# Altium PCB SteezyHS.PcbDoc (part 1 of 2)
Units mm, origin at the board's own origin, x right, y up, seen from the top; angles counter-clockwise.
Board outline 285.25 x 94.86 mm, 2 copper layers (Component Side, Bottom Layer), stack 1.571 mm thick; 159 components, 103 nets, 945 pads, 137 vias.
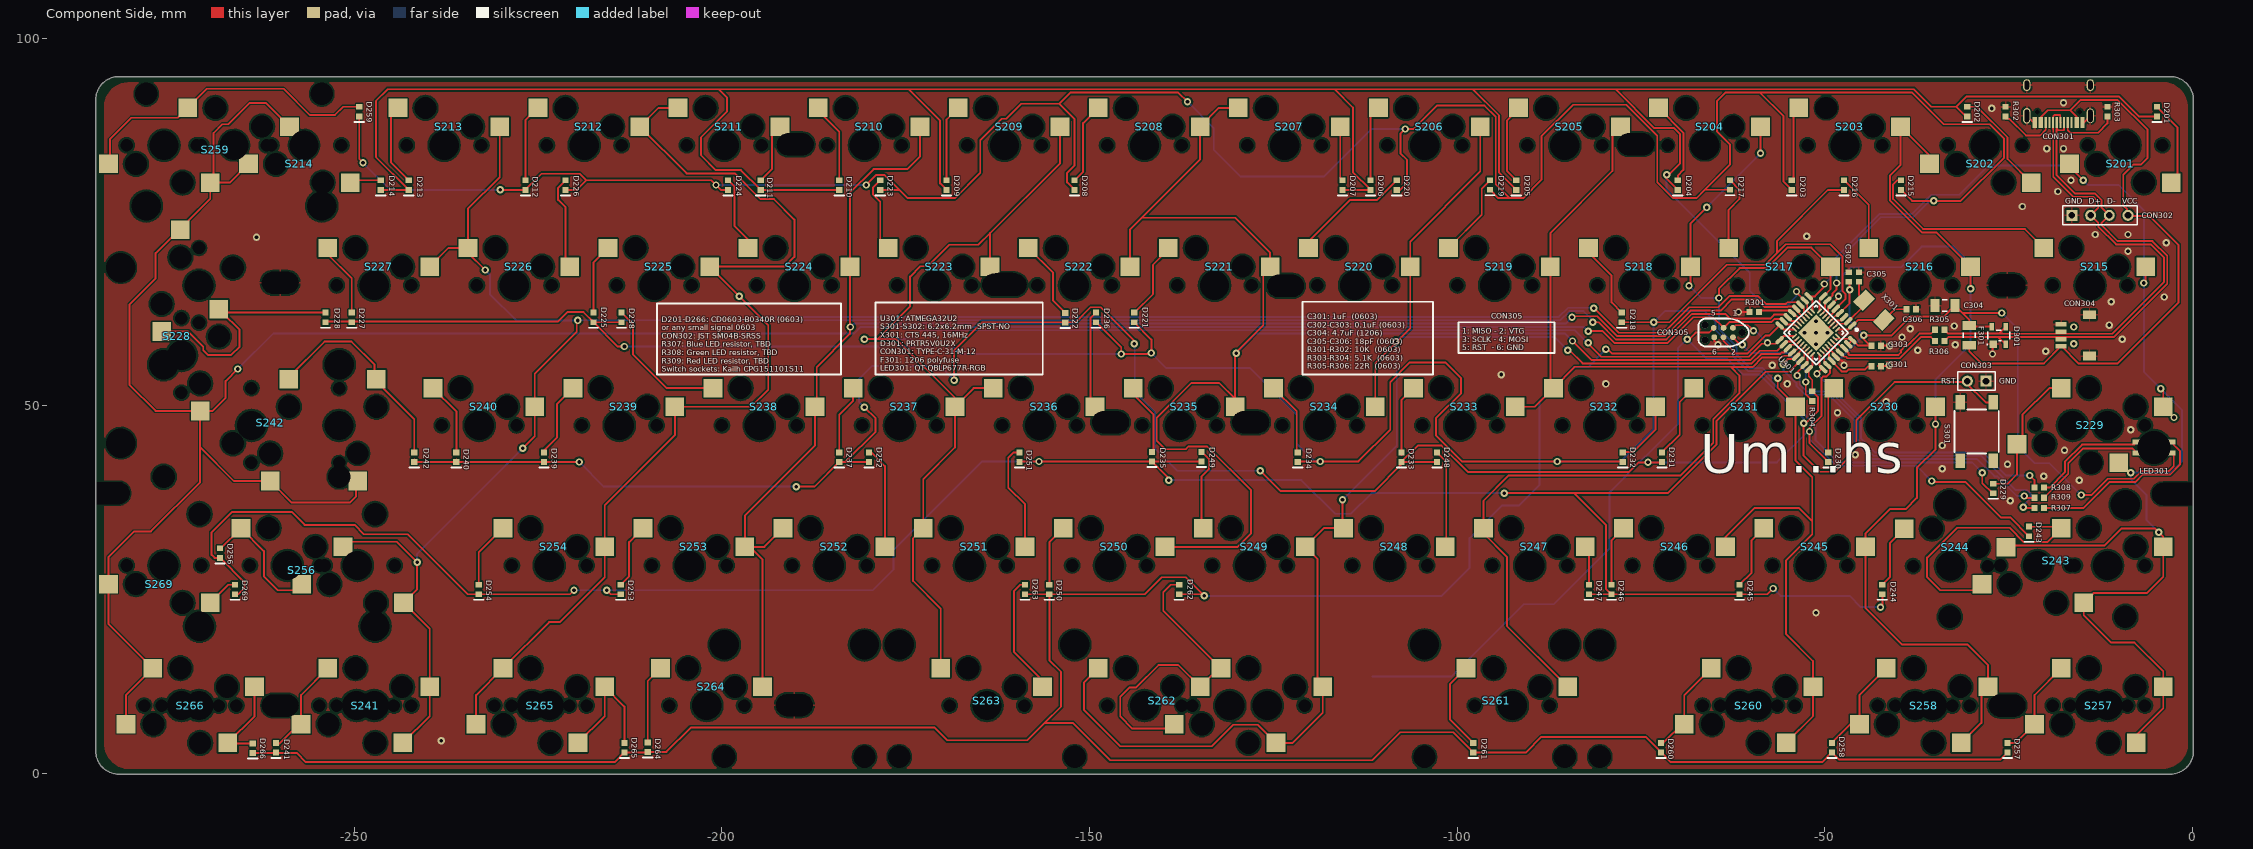
[diagram p0: Component Side view]
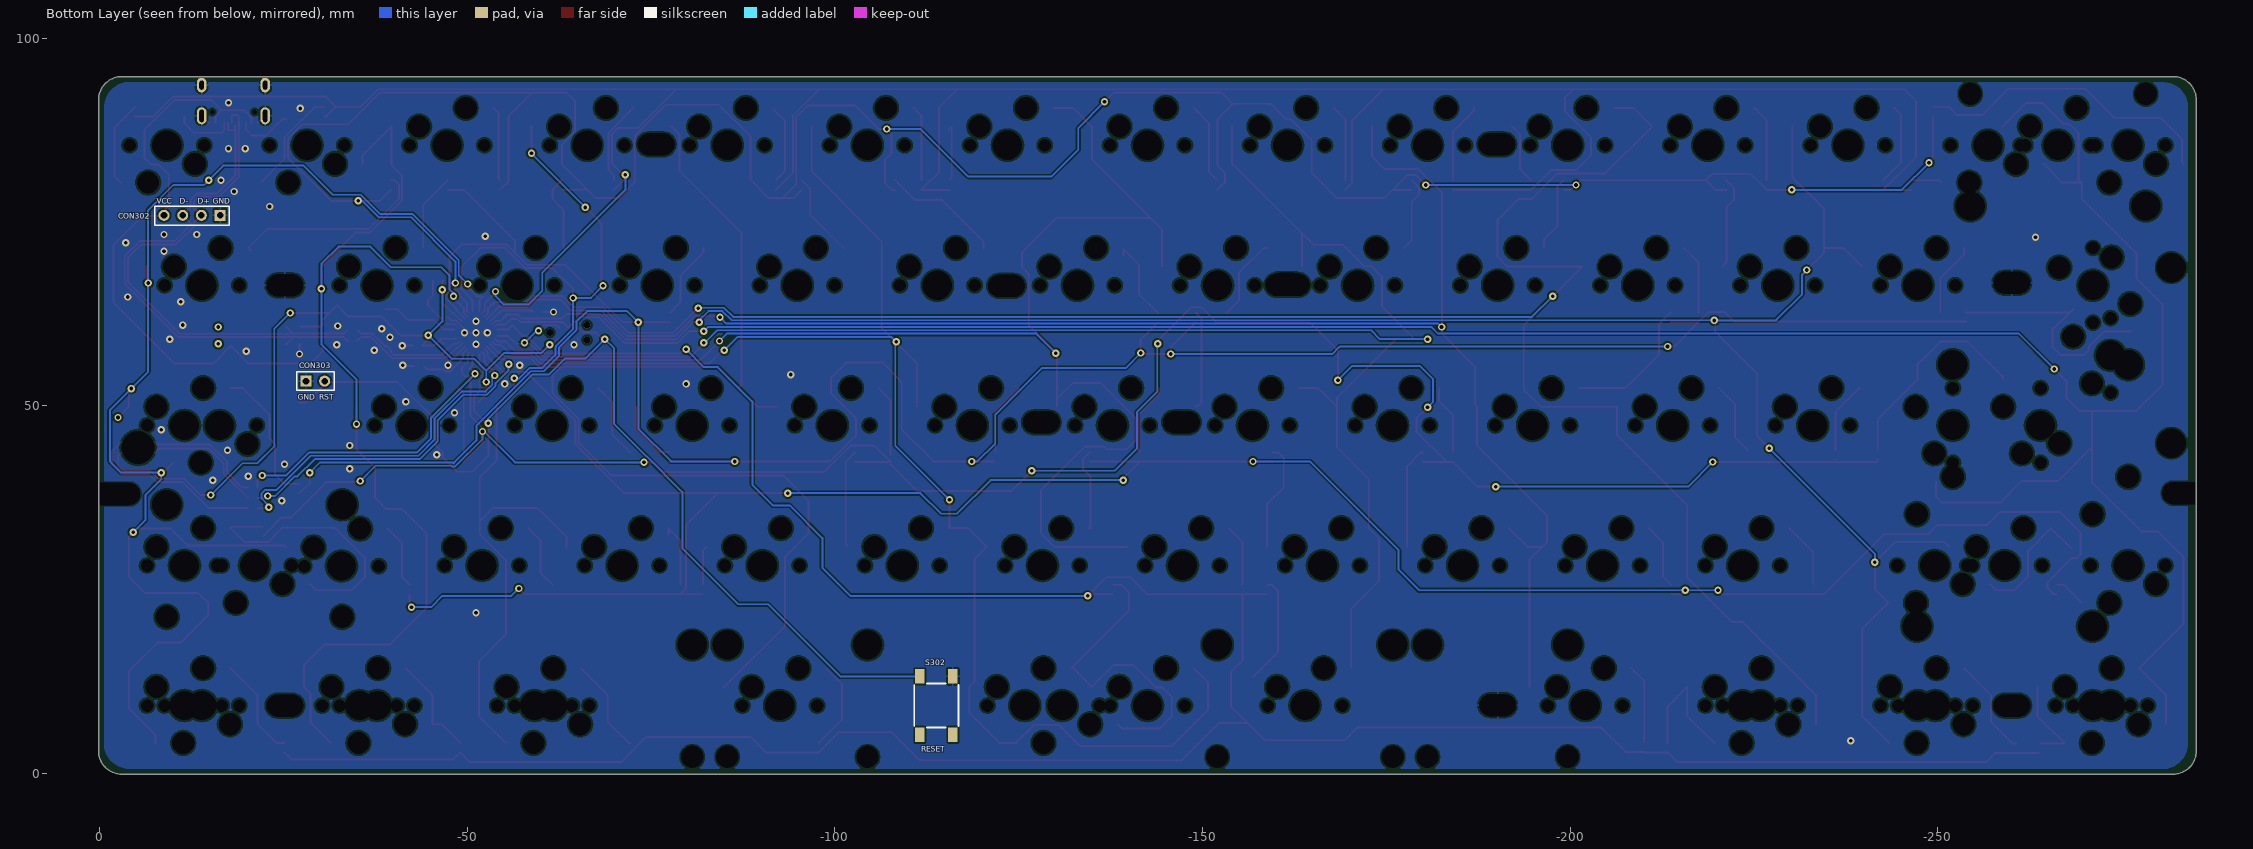
[diagram p1: Bottom Layer view, seen from below]

## Layer stack, top to bottom
Top Solder: solder mask 0.0102, Solder Resist, Dk 3.5
Component Side: signal copper 0.0356
Dielectric 1: core 1.5, FR-4, Dk 4.2
Bottom Layer: signal copper 0.0356
Solder Side: solder mask 0.0102, Solder Resist, Dk 3.5

## Board outline
-285.127,3.01 -285.127,91.615 cw(c-282,91.615) -282,94.742 cw(c-282,94.615) -281.999,94.742 -195.49,94.742 -198.628,94.742 ccw(c-198.628,94.615) -198.629,94.742 -198.628,94.742 -3,94.742 cw(c-3,91.615) 0.127,91.615 0.127,3.01 cw(c-3,3.01) -3,-0.117 cw(c-3,0.01) -3.035,-0.112 -281.965,-0.112 cw(c-282,0.01) -282,-0.117 cw(c-282,3.01)

## Design rules (kind name [scope] priority, off if disabled: settings)
Clearance [All] p1: gap=0.2 ignorepadtopadclearanceinfootprint=FALSE except(0: Arc-Hole Track-Hole SMDPad-Hole THPad-Hole Via-Hole Fill-Hole Poly-Hole Region-Hole Text-Hole; 0.254: THPad-THPad THPad-Via THPad-Fill THPad-Poly THPad-Region THPad-Text Via-Via Via-Fill Via-Poly Via-Region Via-Text Fill-Fill Fill-Poly Fill-Region Fill-Text Poly-Poly Poly-Region Poly-Text Region-Region Region-Text Text-Text)
ComponentClearance [InComponent('No Component') And OnLayer('Component Side')] p1: gap=0.254 collisioncheckmode=3 verticalgap=0.254 showdistances=FALSE
DiffPairsRouting DiffPairsRouting_USB [InDifferentialPairClass('All Differential Pairs')] p1: maxlimit=0.254 minlimit=0.203 mostfreqgap=0.203 toplayer_minwidth=0.152 toplayer_maxwidth=0.381 toplayer_prefwidth=0.152 bottomlayer_minwidth=0.152 bottomlayer_maxwidth=0.381 bottomlayer_prefwidth=0.152 maxuncoupledlength=12.7
DiffPairsRouting [All] p2: maxlimit=0.254 minlimit=0.254 mostfreqgap=0.254 toplayer_minwidth=0.381 toplayer_maxwidth=0.381 toplayer_prefwidth=0.381 bottomlayer_minwidth=0.381 bottomlayer_maxwidth=0.381 bottomlayer_prefwidth=0.381 maxuncoupledlength=12.7
HoleSize [All] p1: absolutevalues=TRUE maxlimit=20 minlimit=0.025 maxpercent=80.000 minpercent=20.000
MatchedLengths MatchedLengths_USB_DiffPairs_1 [All] p1: tolerance=0.127 checknetsindiffpair=TRUE checkdiffpairvsdiffpair=FALSE checkxsignals=FALSE checkothers=FALSE
MatchedLengths MatchedLengths_USB_DiffPairs [All] p2: tolerance=0.127 checknetsindiffpair=TRUE checkdiffpairvsdiffpair=FALSE checkxsignals=FALSE checkothers=FALSE
PolygonConnect PolygonConnect_1 [All vs IsVia] p1: connectstyle=Direct reliefconductorwidth=0.254 reliefentries=4 polygonreliefangle="90 Angle" airgapwidth=0.254
PolygonConnect [All] p2: connectstyle=Relief reliefconductorwidth=0.254 reliefentries=4 polygonreliefangle="90 Angle" airgapwidth=0.254
RoutingVias [All] p1: holewidth=0.711 width=1.27 viastyle="Through Hole" minholewidth=0.711 minwidth=1.27 maxholewidth=0.711 maxwidth=1.27
SolderMaskExpansion [All] p1: expansion=0.102
Width [All] p1: maxlimit=0.254 minlimit=0.203 preferedwidth=0.254
27 further rules are at their usual default settings.

## Classes and differential pairs
component class Designator: C201 C202 C203 C204 C205 C206 D201 D202 D203 D204 D205 D206 D207 D208 D209 D210 D211 D212 D213 D214 D215 D216 D217 D218 D219 D220 D221 D222 D223 D224 D225 D226 D227 D228 D229 D230 D231 D232 D233 D234 D235 D236 D237 D238 D239 D240 D241 D242 D243 D244 D245 D246 D247 D248 D249 D250 D251 D252 D253 D254 D256 D257 D258 D259 D260 D261 D262 D263 D264 D265 D266 D268 D269 S201 S202 S203 S204 S205 S206 S207 S208 S209 S210 S211 S212 S213 S214 S215 S216 S217 S218 S219 S220 S221 S222 S223 S224 S225 S226 S227 S228 S229 S230 S231 S232 S233 S234 S235 S236 S237 S238 S239 S240 S241 S242 S243 S244 S245 S246 S247 S248 S249 S250 S251 S252 S253 S254 S256 S257 S258 S259 S260 S261 S262 S263 S264 S265 S266 S269
differential pair D_PRE: +D_PRE_P -D_PRE_N
differential pair D: +D_P -D_N

## Components (designator, comment, footprint, x,y, rotation, side; value= is the part's Value field where it differs from the comment)
C301 "" C0603[1608] -43,55.372 r180 top value=1uF
C302 "" C0603[1608] -46.736,67.5 r270 top value=0.1uF
C303 "" C0603[1608] -43,58.166 r180 top value=0.1uF
C304 "" C1206[3216] -33.655,63.627 r0 top value=4,7uF
C305 "" C0603[1608] -45.339,67.5 r270 top value=36pF
C306 "" C0603[1608] -38.227,63.119 r180 top value=36pF
CON301 "TYPE-C-31-M-12" TYPE-C-31-M-12 -18.2,88.5 r180 top
CON302 "Header 4" HDR1X4 -16.383,75.89 r0 top
CON303 "Header 2" HDR1X2 -28.067,53.34 r180 top
CON304 "Header 5" "JST SM04B-SRSS-TB" -14,56.757 r90 top
CON305 "TC2030-IDC" TC2030-IDC-NL -63.754,59.944 r180 top
D201 "Diode" D0603[1608] -4.826,90 r270 top
D202 "Diode" D0603[1608] -30.607,90 r270 top
D203 "Diode" D0603[1608] -54.483,80 r270 top
D204 "Diode" D0603[1608] -69.977,80 r270 top
D205 "Diode" D0603[1608] -91.948,80 r270 top
D206 "Diode" D0603[1608] -111.76,80 r270 top
D207 "Diode" D0603[1608] -115.57,80 r270 top
D208 "Diode" D0603[1608] -152.019,80 r270 top
D209 "Diode" D0603[1608] -169.418,80 r270 top
D210 "Diode" D0603[1608] -184.023,80 r270 top
D211 "Diode" D0603[1608] -194.691,80 r270 top
D212 "Diode" D0603[1608] -226.695,80 r270 top
D213 "Diode" D0603[1608] -242.57,80 r270 top
D214 "Diode" D0603[1608] -246.38,80 r270 top
D215 "Diode" D0603[1608] -39.624,80 r270 top
D216 "Diode" D0603[1608] -47.371,80 r270 top
D217 "Diode" D0603[1608] -62.865,80.01 r270 top
D218 "Diode" D0603[1608] -77.597,62 r270 top
D219 "Diode" D0603[1608] -95.504,80.01 r270 top
D220 "Diode" D0603[1608] -108.204,80 r270 top
D221 "Diode" D0603[1608] -143.891,62 r270 top
D222 "Diode" D0603[1608] -153.289,61.976 r270 top
D223 "Diode" D0603[1608] -178.435,80 r270 top
D224 "Diode" D0603[1608] -199.136,80 r270 top
D225 "Diode" D0603[1608] -217.424,62 r270 top
D226 "Diode" D0603[1608] -221.234,80 r270 top
D227 "Diode" D0603[1608] -250.317,62 r270 top
D228 "Diode" D0603[1608] -253.873,62 r270 top
D229 "Diode" D0603[1608] -27.087,38.735 r270 top
D230 "Diode" D0603[1608] -49.53,43 r270 top
D231 "Diode" D0603[1608] -72.136,43 r270 top
D232 "Diode" D0603[1608] -77.47,43 r270 top
D233 "Diode" D0603[1608] -107.569,43 r270 top
D234 "Diode" D0603[1608] -121.666,43 r270 top
D235 "Diode" D0603[1608] -141.478,43.053 r270 top
D236 "Diode" D0603[1608] -149.098,62 r270 top
D237 "Diode" D0603[1608] -184.023,43 r270 top
D238 "Diode" D0603[1608] -213.614,62 r270 top
D239 "Diode" D0603[1608] -224.155,43 r270 top
D240 "Diode" D0603[1608] -236.093,43 r270 top
D241 "Diode" D0603[1608] -260.604,3.5 r270 top
D242 "Diode" D0603[1608] -241.808,43 r270 top
D243 "Diode" D0603[1608] -22.225,32.893 r270 top
D244 "Diode" D0603[1608] -42.164,25 r270 top
D245 "Diode" D0603[1608] -61.595,25 r270 top
D246 "Diode" D0603[1608] -78.994,25 r270 top
D247 "Diode" D0603[1608] -82.042,25 r270 top
D248 "Diode" D0603[1608] -102.743,43 r270 top
D249 "Diode" D0603[1608] -134.747,43.053 r270 top
D250 "Diode" D0603[1608] -155.448,25 r270 top
D251 "Diode" D0603[1608] -159.512,43 r270 top
D252 "Diode" D0603[1608] -179.959,43 r270 top
D253 "Diode" D0603[1608] -213.741,25 r270 top
D254 "Diode" D0603[1608] -233.045,25 r270 top
D256 "Diode" D0603[1608] -268.224,29.957 r270 top
D257 "Diode" D0603[1608] -25.146,3.5 r270 top
D258 "Diode" D0603[1608] -49.022,3.5 r270 top
D259 "Diode" D0603[1608] -249.301,90 r270 top
D260 "Diode" D0603[1608] -72.263,3.5 r270 top
D261 "Diode" D0603[1608] -97.79,3.5 r270 top
D262 "Diode" D0603[1608] -137.795,25 r270 top
D263 "Diode" D0603[1608] -158.75,25 r270 top
D264 "Diode" D0603[1608] -210.058,3.556 r270 top
D265 "Diode" D0603[1608] -213.233,3.5 r270 top
D266 "Diode" D0603[1608] -263.779,3.414 r270 top
D269 "Diode" D0603[1608] -266.192,25 r270 top
D301 "PRTR5V0U2X" SOT190P237X120-4N -26.35,59.543 r90 top
F301 "Fuse Thermal" C1206[3216] -30.353,59.563 r270 top
LED301 "QT QBLP677R-RGB" "QT QBLP677R-RGB" -5.221,44.311 r180 top
R301 "Res1" R0603[1608] -59.563,62.738 r180 top value=10K
R302 "Res1" R0603[1608] -25.4,90 r90 top value=5k1
R303 "Res1" R0603[1608] -11.557,90 r90 top value=5k1
R304 "Res1" R0603[1608] -51.689,51.308 r90 top value=10K
R305 "Res1" R0603[1608] -34.365,60.325 r0 top value=22
R306 "Res1" R0603[1608] -34.365,58.801 r0 top value=22
R307 "Res1" R0603[1608] -20.828,36.068 r180 top
R308 "Res1" R0603[1608] -20.828,38.862 r180 top
R309 "Res1" R0603[1608] -20.828,37.465 r0 top
S201 "MX" MXHS-SWITCH -9.15,85.415 r0 bottom
S202 "MX" MXHS-SWITCH -28.2,85.415 r0 bottom locked
S203 "MX" MXHS-SWITCH -47.25,85.415 r180 bottom locked
S204 "MX" MXHS-SWITCH -66.3,85.415 r180 bottom locked
S205 "MX" MXHS-SWITCH -85.35,85.415 r180 bottom locked
S206 "MX" MXHS-SWITCH -104.4,85.415 r180 bottom locked
S207 "MX" MXHS-switch_Switched_Pol -123.45,85.415 r180 bottom locked
S208 "MX" MXHS-SWITCH -142.5,85.415 r180 bottom locked
S209 "MX" MXHS-SWITCH -161.55,85.415 r180 bottom locked
S210 "MX" MXHS-SWITCH -180.6,85.415 r180 bottom locked
S211 "MX" MXHS-switch_Switched_Pol -199.65,85.415 r180 bottom locked
S212 "MX" MXHS-SWITCH -218.7,85.415 r180 bottom locked
S213 "MX" MXHS-SWITCH -237.75,85.415 r180 bottom locked
S214 "MX" MXHS-SWITCH -256.8,85.415 r0 bottom locked
S215 "MX" "MXHS-SWITCH - 1.5U" -13.912,66.365 r180 bottom locked
S216 "MX" MXHS-SWITCH -37.725,66.365 r180 bottom locked
S217 "MX" MXHS-SWITCH -56.775,66.365 r180 bottom locked
S218 "MX" MXHS-SWITCH -75.825,66.365 r180 bottom locked
S219 "MX" MXHS-SWITCH -94.875,66.365 r180 bottom locked
S220 "MX" MXHS-SWITCH -113.925,66.365 r180 bottom locked
S221 "MX" MXHS-SWITCH -132.975,66.365 r180 bottom locked
S222 "MX" MXHS-SWITCH -152.025,66.365 r180 bottom locked
S223 "MX" MXHS-SWITCH -171.075,66.365 r180 bottom locked
S224 "MX" MXHS-SWITCH -190.125,66.365 r180 bottom locked
S225 "MX" MXHS-SWITCH -209.175,66.365 r180 bottom locked
S226 "MX" MXHS-switch_Switched_Pol -228.225,66.365 r180 bottom locked
S227 "MX" MXHS-SWITCH -247.275,66.365 r180 bottom locked
S228 "MX" "MXHS-SWITCH - PIPE_ISO_ENTER" -271.087,66.365 r0 bottom locked
S229 "MX" "MXHS-SWITCH - CAPS_STEPPED_DUAL" -16.294,47.315 r180 bottom locked
S230 "MX" MXHS-SWITCH -42.487,47.315 r180 bottom locked
S231 "MX" MXHS-SWITCH -61.537,47.315 r180 bottom locked
S232 "MX" MXHS-switch_Switched_Pol -80.587,47.315 r180 bottom locked
S233 "MX" MXHS-SWITCH -99.637,47.315 r180 bottom locked
S234 "MX" MXHS-SWITCH -118.687,47.315 r180 bottom locked
S235 "MX" MXHS-SWITCH -137.737,47.315 r180 bottom locked
S236 "MX" MXHS-switch_Switched_Pol -156.787,47.315 r180 bottom locked
S237 "MX" MXHS-SWITCH -175.837,47.315 r180 bottom locked
S238 "MX" MXHS-SWITCH -194.887,47.315 r180 bottom locked
S239 "MX" MXHS-SWITCH -213.937,47.315 r180 bottom locked
S240 "MX" MXHS-SWITCH -232.987,47.315 r180 bottom locked
S241 "MX" "MXHS-SWITCH - R_WIN" -247.274,9.215 r180 bottom locked
S242 "MX" "MXHS-SWITCH - ENTER_ANSI_ISO_KEY_V2" -263.95,47.315 r180 bottom locked
S243 "MX" "MXHS-SWITCH - LEFT SHIFT" -21.056,28.265 r180 bottom locked
S244 "MX" MXHS-switch -32.893,28.194 r180 bottom locked
S245 "MX" MXHS-SWITCH -52.012,28.265 r180 bottom locked
S246 "MX" MXHS-SWITCH -71.062,28.265 r180 bottom locked
S247 "MX" MXHS-switch_Switched_Pol -90.112,28.265 r180 bottom locked
S248 "MX" MXHS-switch_Switched_Pol -109.162,28.265 r180 bottom locked
S249 "MX" MXHS-SWITCH -128.212,28.265 r180 bottom locked
S250 "MX" MXHS-SWITCH -147.262,28.265 r180 bottom locked
S251 "MX" MXHS-switch_Switched_Pol -166.312,28.265 r180 bottom locked
S252 "MX" MXHS-switch_Switched_Pol -185.362,28.265 r180 bottom locked
S253 "MX" MXHS-SWITCH -204.412,28.265 r180 bottom locked
S254 "MX" MXHS-SWITCH -223.462,28.265 r180 bottom locked
S256 "MX" "MXHS-switch - right shift" -259.08,28.265 r180 bottom locked
S257 "MX" "MXHS-SWITCH - L_CTRL" -13.912,9.215 r180 bottom locked
S258 "MX" "MXHS-SWITCH - L_WIN" -37.724,9.215 r180 bottom locked
S259 "MX" "MXHS-SWITCH - BACKSPACE" -266.325,85.415 r180 bottom locked
S260 "MX" "MXHS-SWITCH - L_ALT" -61.537,9.215 r180 bottom locked
S261 "MX" "MXHS-SWITCH - L SPLIT SPACE" -102.018,9.215 r0 bottom locked
S262 "MX" "MXHS-SWITCH - SPACE_V2" -142.499,9.215 r180 bottom locked
S263 "MX" "MXHS-SWITCH - R SPLIT SPACE" -163.931,9.215 r0 bottom locked
S264 "MX" MXHS-switch -202.031,9.215 r180 bottom locked
S265 "MX" "MXHS-SWITCH - R_ALT_V2" -223.462,9.215 r180 bottom locked
S266 "MX" "MXHS-SWITCH - R_CTRL" -271.087,9.215 r180 bottom locked
S269 "MX" MXHS-SWITCH -275.85,28.265 r0 bottom locked
S301 "SW-PB" 430152050826 -29.337,46.482 r270 top
S302 "SW-PB" 430152050826 -113.792,9.215 r270 bottom
U301 "ATMEGA32U2" ATMEGA32U2-COMBO -51.184,59.918 r225 top
X301 "XTAL" "CTS 445-series crystal" -43.307,62.992 r135 top

## Footprints (in the part's own frame and the unit in brackets; to place one, negate y for a bottom-side part, rotate by r counter-clockwise, add the part's x,y. Pads: shape width x height; smd on the part's side, far side on the other; paste and mask are expansions set on the pad)
430152050826 [mm] "Wurth Electronics Inc."
  rect 2x1.3 smd: 1(-3.975,2.25) 2(-3.975,-2.25) ""(3.975,2.25) ""(3.975,-2.25)
  silkscreen extent -3,-3 3,3, body extent -4.5,-3.1 4.5,3.1, height 5
ATMEGA32U2-COMBO [mm]
  oval 1.4x0.55 smd: 1(-4.2,2.8) 2(-4.2,2) 3(-4.2,1.2) 4(-4.2,0.4) 5(-4.2,-0.4) 6(-4.2,-1.2) 7(-4.2,-2) 8(-4.2,-2.8) 17(4.2,-2.8) 18(4.2,-2) 19(4.2,-1.2) 20(4.2,-0.4) 21(4.2,0.4) 22(4.2,1.2) 23(4.2,2) 24(4.2,2.8)
  oval 0.85x0.25 smd: 1(-2.4,1.75) 2(-2.4,1.25) 3(-2.4,0.75) 4(-2.4,0.25) 5(-2.4,-0.25) 6(-2.4,-0.75) 7(-2.4,-1.25) 8(-2.4,-1.75) 17(2.4,-1.75) 18(2.4,-1.25) 19(2.4,-0.75) 20(2.4,-0.25) 21(2.4,0.25) 22(2.4,0.75) 23(2.4,1.25) 24(2.4,1.75)
  oval 0.55x1.4 smd: 9(-2.8,-4.2) 10(-2,-4.2) 11(-1.2,-4.2) 12(-0.4,-4.2) 13(0.4,-4.2) 14(1.2,-4.2) 15(2,-4.2) 16(2.8,-4.2) 25(2.8,4.2) 26(2,4.2) 27(1.2,4.2) 28(0.4,4.2) 29(-0.4,4.2) 30(-1.2,4.2) 31(-2,4.2) 32(-2.8,4.2)
  oval 0.25x0.85 smd: 9(-1.75,-2.4) 10(-1.25,-2.4) 11(-0.75,-2.4) 12(-0.25,-2.4) 13(0.25,-2.4) 14(0.75,-2.4) 15(1.25,-2.4) 16(1.75,-2.4) 25(1.75,2.4) 26(1.25,2.4) 27(0.75,2.4) 28(0.25,2.4) 29(-0.25,2.4) 30(-0.75,2.4) 31(-1.25,2.4) 32(-1.75,2.4)
  rect 3.5x3.5 smd: 28(0,0)
  silkscreen extent -4.32,-3.1 3.1,3.75, body extent -2.51,-2.51 2.51,2.51, height 1
C0603[1608] [mm] "Chip Resistor, 2-Leads, Body 1,57x0,80mm, IPC Medium Density"
  rect 0.8x0.85 smd: 1(-0.65,0) 2(0.65,0)
  body extent -0.83,-0.43 0.82,0.43, height 0.5
C1206[3216] [mm]
  rect 1.2x1.8 smd: 1(-1.35,0) 2(1.35,0)
  silkscreen extent -0.35,-0.8 0.35,0.8, body extent -1.6,-0.9 1.6,0.9, height 1.2
"CTS 445-series crystal" [mm]
  rect 1.8x2.4 smd: 1(-1.9,0) 2(1.9,0)
  body extent -2.5,-1.6 2.5,1.6, height 1.3
D0603[1608] [mm] "Chip Resistor, 2-Leads, Body 1,57x0,80mm, IPC Medium Density"
  rect 0.8x0.85 smd: 1(-0.65,0) 2(0.65,0)
  silkscreen extent 1.4,-0.63 1.4,0.64, body extent -0.8,-0.45 0.8,0.45, height 0.59
HDR1X2 [mm] "Connector; Header; 2 Position"
  rect 1.5x1.5 hole 0.9: 1(0,0)
  round 1.5 hole 0.9: 2(2.54,0)
  silkscreen extent -1.27,-1.27 3.81,1.27
HDR1X4 [mm] "Connector; Header; 4 Position"
  rect 1.5x1.5 hole 0.9: 1(0,0)
  round 1.5 hole 0.9: 2(2.54,0) 3(5.08,0) 4(7.62,0)
  silkscreen extent -1.27,-1.27 8.89,1.27
"JST SM04B-SRSS-TB" [mm]
  rect 0.6x1.55 smd: 1(1.3,3.875) 2(2.3,3.875) 3(3.3,3.875) 4(4.3,3.875)
  rect 1.2x1.8 smd: 5(0,0) 5(5.6,0)
  body extent -0.21,-0.76 5.79,4.19, height 3.25
MXHS-SWITCH [mm]
  rect 2.55x2.5 smd far side: 1(6.29,5.08) 2(-7.56,2.54)
  round 1 hole 1.702 unplated: ""(-5.08,0) ""(5.08,0)
  round 0 hole 3 unplated: ""(-3.81,2.54) ""(2.54,5.08)
  round 1 hole 3.988 unplated: ""(0,0)
  body extent -7.76,0.97 6.74,6.86, height 0.8
MXHS-switch [mm]
  rect 2.55x2.5 smd far side: 1(6.29,5.08) 2(-7.56,2.54)
  round 1 hole 1.702 unplated: ""(-5.08,0) ""(5.08,0)
  round 0 hole 3 unplated: ""(-3.81,2.54) ""(2.54,5.08)
  round 1 hole 3.988 unplated: ""(0,0)
  body extent -7.76,0.97 6.74,6.86, height 0.8
"MXHS-SWITCH - 1.5U" [mm]
  rect 2.55x2.5 smd far side: 1(6.29,5.08) 2(-7.56,2.54)
  round 1 hole 1.702 unplated: ""(-5.08,0) ""(5.08,0)
  round 0 hole 3 unplated: ""(-3.81,2.54) ""(2.54,5.08)
  round 1 hole 3.988 unplated: ""(0,0)
  round 1 on Mech14: ""(0,0)
  body extent -7.76,0.97 6.74,6.86, height 0.8
"MXHS-SWITCH - BACKSPACE" [mm]
  rect 2.55x2.5 smd far side: 1(6.29,5.08) 1(17.085,-2.54) 2(-7.56,2.54) 2(3.235,-5.08)
  round 1.524 hole 3.988 unplated: ""(-11.938,-8.255) ""(11.938,-8.255)
  round 1.524 hole 3.048 unplated: ""(-11.938,6.985) ""(11.938,6.985)
  round 1 hole 1.702 unplated: ""(-5.08,0) ""(-5.08,0) ""(4.445,0) ""(4.445,0) ""(5.08,0) ""(5.08,0) ""(14.605,0) ""(14.605,0)
  round 0 hole 3 unplated: ""(-3.81,2.54) ""(2.54,5.08) ""(6.985,-5.08) ""(13.335,-2.54)
  round 1 hole 3.988 unplated: ""(0,0) ""(9.525,0)
  round 1 on Mech14: ""(0,0) ""(0,0) ""(9.525,0) ""(9.525,0)
  body extent -7.76,-6.86 17.28,6.86, height 0.8
"MXHS-SWITCH - CAPS_STEPPED_DUAL" [mm]
  rect 2.55x2.5 smd far side: 1(1.528,5.08) 1(7.56,-2.54) 2(-12.323,2.54) 2(-6.29,-5.08)
  round 1 hole 1.702 unplated: ""(-9.842,0) ""(5.08,0)
  round 0 hole 3 unplated: ""(-8.572,2.54) ""(-2.54,-5.08) ""(-2.222,5.08) ""(3.81,-2.54)
  round 1 hole 3.988 unplated: ""(-4.763,0) ""(0,0)
  round 1 on Mech14: ""(-4.763,0) ""(0,0)
  body extent -12.52,-6.86 7.76,6.86, height 0.8
"MXHS-SWITCH - ENTER_ANSI_ISO_KEY_V2" [mm]
  rect 2.5x2.55 smd far side: 1(-16.986,6.29) 1(-5.08,6.29) 2(-14.446,-7.56) 2(-2.54,-7.56)
  round 0 hole 3 unplated: ""(-16.986,2.54) ""(-14.446,-3.81) ""(-5.08,2.54) ""(-2.54,-3.81)
  round 1.524 hole 3.048 unplated: ""(-11.938,-6.985) ""(11.938,-6.985)
  round 1.524 hole 3.988 unplated: ""(-11.938,8.255) ""(11.938,8.255)
  round 1 hole 1.702 unplated: ""(-11.906,-5.08) ""(-11.906,5.08) ""(0,-5.08) ""(0,5.08)
  round 1 hole 3.988 unplated: ""(-11.906,0) ""(0,0)
  round 1 on Mech14: ""(-11.906,0) ""(-11.906,0) ""(-11.906,0) ""(0,0) ""(0,0)
  body extent -18.76,-7.76 -0.97,6.74, height 0.8
"MXHS-SWITCH - L SPLIT SPACE" [mm]
  rect 2.55x2.5 smd far side: 1(3.235,-5.08) 2(17.085,-2.54)
  round 1.524 hole 3.988 unplated: ""(-2.413,-8.255)
  round 1.524 hole 3.048 unplated: ""(-2.413,6.985)
  round 1 hole 1.702 unplated: ""(4.445,0) ""(14.605,0)
  round 0 hole 3 unplated: ""(6.985,-5.08) ""(13.335,-2.54)
  round 1 hole 3.988 unplated: ""(9.525,0)
  round 1 on Mech14: ""(9.525,0)
  body extent 2.78,-6.86 17.28,-0.97, height 0.8
"MXHS-SWITCH - L_ALT" [mm]
  rect 2.55x2.5 smd far side: 1(3.909,5.08) 1(7.56,-2.54) 2(-9.941,2.54) 2(-6.29,-5.08)
  round 1 hole 1.702 unplated: ""(-7.461,0) ""(-5.08,0) ""(2.699,0) ""(5.08,0)
  round 0 hole 3 unplated: ""(-6.191,2.54) ""(-2.54,-5.08) ""(0.159,5.08) ""(3.81,-2.54)
  round 1 hole 3.988 unplated: ""(-2.381,0) ""(0,0)
  round 1 on Mech14: ""(-2.381,0) ""(0,0) ""(0,0) ""(0,0)
  body extent -10.14,-6.86 7.76,6.86, height 0.8
"MXHS-SWITCH - L_CTRL" [mm]
  rect 2.55x2.5 smd far side: 1(3.909,5.08) 1(7.56,-2.54) 2(-9.941,2.54) 2(-6.29,-5.08)
  round 1 hole 1.702 unplated: ""(-7.461,0) ""(-5.08,0) ""(2.699,0) ""(5.08,0)
  round 0 hole 3 unplated: ""(-6.191,2.54) ""(-2.54,-5.08) ""(0.159,5.08) ""(3.81,-2.54)
  round 1 hole 3.988 unplated: ""(-2.381,0) ""(0,0)
  round 1 on Mech14: ""(-2.381,0) ""(0,0) ""(0,0) ""(0,0)
  body extent -10.14,-6.86 7.76,6.86, height 0.8
"MXHS-SWITCH - L_WIN" [mm]
  rect 2.55x2.5 smd far side: 1(3.909,5.08) 1(7.56,-2.54) 2(-9.941,2.54) 2(-6.29,-5.08)
  round 1 hole 1.702 unplated: ""(-7.461,0) ""(-5.08,0) ""(2.699,0) ""(5.08,0)
  round 0 hole 3 unplated: ""(-6.191,2.54) ""(-2.54,-5.08) ""(0.159,5.08) ""(3.81,-2.54)
  round 1 hole 3.988 unplated: ""(-2.381,0) ""(0,0)
  round 1 on Mech14: ""(-2.381,0) ""(0,0) ""(0,0) ""(0,0)
  body extent -10.14,-6.86 7.76,6.86, height 0.8
"MXHS-SWITCH - LEFT SHIFT" [mm]
  rect 2.55x2.5 smd far side: 1(-3.235,5.08) 1(7.56,-2.54) 2(-17.085,2.54) 2(-6.29,-5.08)
  round 1 hole 1.702 unplated: ""(-14.605,0) ""(-5.08,0) ""(-4.445,0) ""(5.08,0)
  round 0 hole 3 unplated: ""(-13.335,2.54) ""(-6.985,5.08) ""(-2.54,-5.08) ""(3.81,-2.54)
  round 1.524 hole 3.048 unplated: ""(-11.938,-6.985) ""(11.938,-6.985)
  round 1.524 hole 3.988 unplated: ""(-11.938,8.255) ""(11.938,8.255)
  round 1 hole 3.988 unplated: ""(-9.525,0) ""(0,0)
  round 1 on Mech14: ""(0,0)
  body extent -17.28,-6.86 7.76,6.86, height 0.8
"MXHS-SWITCH - PIPE_ISO_ENTER" [mm]
  rect 2.5x2.55 smd far side: 1(-5.08,6.29) 1(2.699,3.235) 2(-2.54,-7.56) 2(0.159,17.085)
  round 1.524 hole 3.988 unplated: ""(-10.636,-2.413) ""(-10.636,21.463)
  round 0 hole 3 unplated: ""(-5.08,2.54) ""(-2.54,-3.81) ""(0.159,13.335) ""(2.699,6.985)
  round 1 hole 1.702 unplated: ""(-2.381,4.445) ""(-2.381,14.605) ""(0,-5.08) ""(0,5.08)
  round 1 hole 3.988 unplated: ""(-2.381,9.525) ""(0,0)
  round 1 on Mech14: ""(-2.381,9.525) ""(0,0)
  round 1.524 hole 3.048 unplated: ""(4.604,-2.413) ""(4.604,21.463)
  body extent -6.86,-7.76 4.48,17.28, height 0.8
"MXHS-SWITCH - R SPLIT SPACE" [mm]
  rect 2.55x2.5 smd far side: 1(7.56,-2.54) 2(-6.29,-5.08)
  round 1.524 hole 3.988 unplated: ""(-11.938,-8.255) ""(11.938,-8.255)
  round 1.524 hole 3.048 unplated: ""(-11.938,6.985) ""(11.938,6.985)
  round 1 hole 1.702 unplated: ""(-5.08,0) ""(5.08,0)
  round 0 hole 3 unplated: ""(-2.54,-5.08) ""(3.81,-2.54)
  round 1 hole 3.988 unplated: ""(0,0)
  round 1 on Mech14: ""(0,0)
  body extent -6.74,-6.86 7.76,-0.97, height 0.8
"MXHS-SWITCH - R_ALT_V2" [mm] "No infinity hacker"
  rect 2.55x2.5 smd far side: 1(-7.56,2.54) 1(-3.909,-5.08) 2(6.29,5.08) 2(9.941,-2.54)
  round 1 hole 1.702 unplated: ""(-5.08,0) ""(-2.699,0) ""(5.08,0) ""(7.461,0)
  round 0 hole 3 unplated: ""(-3.81,2.54) ""(-0.159,-5.08) ""(2.54,5.08) ""(6.191,-2.54)
  round 1 hole 3.988 unplated: ""(0,0) ""(2.381,0)
  round 1 on Mech14: ""(0,0) ""(0,0) ""(0,0) ""(2.381,0) ""(2.381,0) ""(2.381,0)
  body extent -7.76,-6.86 10.14,6.86, height 0.8
"MXHS-SWITCH - R_CTRL" [mm]
  rect 2.55x2.5 smd far side: 1(-7.56,2.54) 1(-3.909,-5.08) 2(6.29,5.08) 2(9.941,-2.54)
  round 1 hole 1.702 unplated: ""(-5.08,0) ""(-2.699,0) ""(5.08,0) ""(7.461,0)
  round 0 hole 3 unplated: ""(-3.81,2.54) ""(-0.159,-5.08) ""(2.54,5.08) ""(6.191,-2.54)
  round 1 hole 3.988 unplated: ""(0,0) ""(2.381,0)
  round 1 on Mech14: ""(0,0) ""(0,0) ""(0,0) ""(2.381,0) ""(2.381,0) ""(2.381,0)
  body extent -7.76,-6.86 10.14,6.86, height 0.8
"MXHS-SWITCH - R_WIN" [mm]
  rect 2.55x2.5 smd far side: 1(6.29,5.08) 1(9.941,-2.54) 2(-7.56,2.54) 2(-3.909,-5.08)
  round 1 hole 1.702 unplated: ""(-5.08,0) ""(-2.699,0) ""(5.08,0) ""(7.461,0)
  round 0 hole 3 unplated: ""(-3.81,2.54) ""(-0.159,-5.08) ""(2.54,5.08) ""(6.191,-2.54)
  round 1 hole 3.988 unplated: ""(0,0) ""(2.381,0)
  round 1 on Mech14: ""(0,0) ""(0,0) ""(0,0) ""(2.381,0) ""(2.381,0) ""(2.381,0)
  body extent -7.76,-6.86 10.14,6.86, height 0.8
"MXHS-switch - right shift" [mm]
  rect 2.55x2.5 smd far side: 1(-1.965,-2.54) 1(6.29,5.08) 2(-15.815,-5.08) 2(-7.56,2.54)
  round 1 hole 1.702 unplated: ""(-14.605,0) ""(-5.08,0) ""(-4.445,0) ""(5.08,0)
  round 0 hole 3 unplated: ""(-12.065,-5.08) ""(-5.715,-2.54) ""(-3.81,2.54) ""(2.54,5.08)
  round 1.524 hole 3.988 unplated: ""(-11.938,-8.255) ""(11.938,-8.255)
  round 1.524 hole 3.048 unplated: ""(-11.938,6.985) ""(11.938,6.985)
  round 1 hole 3.988 unplated: ""(-9.525,0) ""(0,0)
  round 1 on Mech14: ""(-9.525,0)
  body extent -16.27,-6.86 6.74,6.86, height 0.8
"MXHS-SWITCH - SPACE_V2" [mm]
  rect 2.55x2.5 smd far side: 1(-10.386,5.08) 1(-7.56,2.54) 1(-4.036,-2.54) 2(-24.236,2.54) 2(-17.886,-5.08) 2(6.29,5.08)
  round 1.524 hole 3.048 unplated: ""(-61.91,-6.985) ""(-57.15,-6.985) ""(38.09,-6.985) ""(57.15,-6.985)
  round 1.524 hole 3.988 unplated: ""(-61.91,8.255) ""(-57.15,8.255) ""(38.09,8.255) ""(57.15,8.255)
  round 1 hole 1.702 unplated: ""(-21.756,0) ""(-6.516,0) ""(-5.08,0) ""(5.08,0)
  round 0 hole 3 unplated: ""(-20.486,2.54) ""(-14.136,-5.08) ""(-14.136,5.08) ""(-7.786,-2.54) ""(-3.81,2.54) ""(2.54,5.08)
  round 1 hole 3.988 unplated: ""(-16.676,0) ""(-11.596,0) ""(0,0)
  round 1 on Mech14: ""(-16.676,0) ""(-11.596,0)
  body extent -24.43,-6.86 6.74,6.86, height 0.8
MXHS-switch_Switched_Pol [mm]
  rect 2.55x2.5 smd far side: 1(-7.56,2.54) 2(6.29,5.08)
  round 1 hole 1.702 unplated: ""(-5.08,0) ""(5.08,0)
  round 0 hole 3 unplated: ""(-3.81,2.54) ""(2.54,5.08)
  round 1 hole 3.988 unplated: ""(0,0)
  body extent -7.76,0.97 6.74,6.86, height 0.8
"QT QBLP677R-RGB" [mm]
  rect 1.2x0.7 smd: 1(-2.3,-0.75) 2(2.3,-0.75) 3(2.3,0.75) 4(-2.3,0.75)
  round 1 hole 4.5 unplated: ""(0,0)
R0603[1608] [mm] "Chip Resistor, 2-Leads, Body 1,57x0,80mm, IPC Medium Density"
  rect 0.8x0.85 smd: 1(-0.65,0) 2(0.65,0)
  body extent -0.83,-0.43 0.82,0.43, height 0.5
SOT190P237X120-4N [mm] "SOT143, 4-Leads, Body 3,00x2,37mm, Pitch 1,90mm, IPC Medium Density"
  rect 1x1 smd: 1(-1.2,0.75)
  rect 1x0.6 smd: 2(-1.2,-0.95) 3(1.2,-0.95) 4(1.2,0.95)
  silkscreen extent -1.25,-1.5 0.7,1.6, body extent -1.25,-1.5 1.24,1.5, height 1.09
TC2030-IDC-NL [mm] "Tag-Connect 6-Pin with No Legs (PN# TC2030-IDC-NL)"
  round 0.9 hole 0.995 unplated: 0(-2.54,0) 0(2.54,-1.016) 0(2.54,1.016)
  round 0.79 smd paste-0.39: 1(-1.27,-0.635) 2(-1.27,0.635) 3(0,-0.635) 4(0,0.635) 5(1.35,-0.635) 6(1.27,0.635)
  silkscreen extent -3.43,-1.9 3.43,1.9
TYPE-C-31-M-12 [mm]
  rect 0.6x1.45 smd: A1B12(-3.25,0) A4B9(-2.45,0) B1A12(3.25,0) B4A9(2.45,0)
  rect 0.3x1.45 smd: A5(-1.25,0) A6(-0.25,0) A7(0.25,0) A8(1.25,0) B5(1.75,0) B6(0.75,0) B7(-0.75,0) B8(-1.75,0)
  oval 1x2 / inner oval 1x2 / far side oval 1.3x2.3 hole 0.6 slot 1.7 at 90 deg: S1(-4.32,-0.915)
  oval 1x1.6 / inner oval 1x1.6 / far side oval 1.3x2 hole 0.6 slot 1.2 at 90 deg: S1(-4.32,-5.095) S1(4.32,-5.095)
  oval 1x2.1 / inner oval 1x2.1 / far side oval 1.3x2.3 hole 0.6 slot 1.7 at 90 deg: S1(4.32,-0.915)
  round 0 hole 0.65 unplated: ""(-2.89,-1.445) ""(2.89,-1.445)
  body extent -4.47,-7.72 4.47,0.18, height 3.21

## Part data
C301: library part Cap, "Capacitor", LCSC MFG="Samsung Electro-Mechanics", LCSCPN=C15849, MFG=KEMET, MFGPN=C0603C104M5RACTU, MRF.Part=CL10A105KB8NNNC, Version="0603 imperial"
C302 C303: library part Cap, "Capacitor", LCSC MFG=YAGEO, LCSCPN=C14663, MFG=KEMET, MFGPN=C0603C104M5RACTU, MRF.Part=CC0603KRX7R9BB104, Version="0603 imperial"
C304: library part Cap, "Capacitor", LCSC MFG="Guangdong Fenghua Advanced Tech", LCSCPN=C29823, MFG=KEMET, MFGPN=C0603C104M5RACTU, MRF.Part=1206B475K500NT, Version="1206 imperial"
C305 C306: library part Cap, "Capacitor", LCSC MFG="Samsung Electro-Mechanics", LCSCPN=C159790, MFG=KEMET, MFGPN=C0603C104M5RACTU, MRF.Part=CL10C360JB8NNNC, Version="0603 imperial"
CON301: LCSC MFG="Korean Hroparts Elec", LCSCPN=C165948, MFG="Korean Hroparts Elec", MFGPN=TYPE-C-31-M-12, MRF.Part=TYPE-C-31-M-12
CON302: "Header, 4-Pin"
CON303: "Header, 2-Pin"
CON304: "Header, 5-Pin", LCSC MFG="JST Sales America", LCSCPN=C160404, MFG="JST Sales America Inc.", MFGPN=SM04B-SRSS-TB(LF)(SN), MRF.Part=SM04B-SRSS-TB(LF)(SN)
CON305: library part "Header 3X2", "Header, 3-Pin, Dual row"
D201 D202 D203 D204 D205 D206 D207 D208 D209 D210 D211 D212 D213 D214 D215 D216 D217 D218 D219 D220 D221 D222 D223 D224 D225 D226 D227 D228 D229 D230 D231 D232 D233 D234 D235 D236 D237 D238 D239 D240 D241 D242 D243 D244 D245 D246 D247 D248 D249 D250 D251 D252 D253 D254 D256 D257 D258 D259 D260 D261 D262 D263 D264 D265 D266 D269: "Default Diode", LCSC MFG="Brightking Elec (TAIWAN)", LCSCPN=C109002, MFG="Bourns Inc.", MFGPN=CD0603-B0340R, MRF.Part=CD4148WTP, Version="0603 imperial"
D301: LCSC MFG="Brightking Elec (TAIWAN)", LCSCPN=C78442, MFG="Nexperia USA Inc.", MFGPN=PRTR5V0U2X,215, MRF.Part=UET14A05L03
F301: "Thermal Fuse", LCSC MFG="Shenzhen JDT Fuse", LCSCPN=C135338, MFG="Bel Fuse Inc.", MFGPN=0ZCJ0050FF2G, MRF.Part=ASMD1206-050
R301 R304: "Resistor", LCSC MFG="Uniroyal Elec", LCSCPN=C25804, MFG="Panasonic Electronic Components", MFGPN=ERJ-3EKF5101V, MRF.Part=0603WAF1002T5E, Version="0603 imperial"
R302 R303: "Resistor", LCSC MFG="Uniroyal Elec", LCSCPN=C23186, MFG="Panasonic Electronic Components", MFGPN=ERJ-3EKF5101V, MRF.Part=0603WAF5101T5E, Version="0603 imperial"
R305 R306: "Resistor", LCSC MFG="Uniroyal Elec", LCSCPN=C23345, MFG="Panasonic Electronic Components", MFGPN=ERJ-3EKF5101V, MRF.Part=0603WAF220JT5E, Version="0603 imperial"
R307 R308 R309: "Resistor", Version="0603 imperial"
S201 S202 S203 S204 S205 S206 S207 S208 S209 S210 S211 S212 S213 S214 S216 S217 S218 S219 S220 S221 S222 S223 S224 S225 S226 S227 S228 S229 S230 S231 S232 S233 S234 S235 S236 S237 S238 S239 S240 S241 S242 S243 S244 S245 S246 S247 S248 S249 S250 S251 S252 S253 S254 S256 S257 S258 S259 S260 S261 S262 S263 S264 S265 S266 S269: library part SW-PB, "Switch"
S215: library part SW-PB, "TAB"
S301 S302: "Switch", LCSC MFG="XKB Enterprise", LCSCPN=C318888, MFG=C&K, MFGPN="PTS645SM43SMTR92 LFS", MRF.Part=TS-1187A-C-D-B
X301: "Crystal Oscillator", LCSC MFG="Yangxing Tech", LCSCPN=C112572, MRF.Part=X503216MSB2GI
U301: MFG="Microchip Technology", MFGPN=ATMEGA32U2-AUR

## Free pads (board coordinates)
  round 0 hole 3 slot 5 at 0 deg: CHECK(-25.2,66.365) POKER(-260.05,66.715) POKER(-190.119,9.271) ""(-260.05,9.215) ""(-128.073,47.742) ""(-25.2,9.215)
  round 0 hole 3 slot 7 at 0 deg unplated: POKER(-284,38.115) POKER(-2,37.988)
  round 0 hole 3 slot 5 at 0 deg unplated: ""(-189.992,85.542) ""(-161.423,66.548) ""(-147.123,47.742) ""(-123.323,66.294) ""(-75.692,85.542)
  round 1.524 hole 3 slot 6 at 0 deg unplated: ""(-161.55,66.421)

## Via types
v1: diameter 1, hole 0.5, Component Side to Bottom Layer, tented both sides, 132 vias
v2: diameter 1, hole 0.5, Component Side to Bottom Layer, tented bottom, 5 vias

## Nets (pads, with @x,y where several pads share a name; then routed paths per layer and width w, separated by ;. In a path a pad name is that pad's centre, name@x,y a point inside that pad or via, vN(x,y) a via of type N, cw(c..) or ccw(c..) an arc to the next point about the centre after c; other vN are vias at no path point)
col1: S201.2 S215.2 S229.2 S243.2 S244.2 S257.2 U301.9 | length 191.7
  Component Side w0.254: U301.9@-51.644,62.852 -51.644,64.337 U301.9@-52.174,64.868 -51.337,64.868 v1@-50.038,66.167 ; S244.2@-25.333,30.734 -25.079,30.988 -11.938,30.988 -9.652,33.274 -5.08,33.274 v1(-4.572,32.766) -3.971,32.165 S243.2@-3.971,30.805 -3.971,26.763 -6.223,24.511 -13.44,24.511 S243.2@-14.766,23.185 -14.766,21.497 -11.049,17.78 -7.874,17.78 -3.971,13.877 S257.2@-3.971,11.755 -3.971,8.856 -7.622,5.205 S257.2@-7.622,4.135 ; S201.2@-16.71,82.875 -16.71,82.496 v1(-14.859,80.645) ; S229.2@-10.004,42.235 v1@-8.725,40.956 ; v1(-6.604,66.675) -6.352,66.927 S215.2@-6.352,68.905 ; v1(-4.318,52.324) -3.971,51.977 S229.2@-3.971,49.855 v1(-2.503,48.387)
  Bottom Layer w0.254: v1(-50.041,66.548) -48.841,67.748 -48.841,69.777 -42.545,76.073 -38.127,76.073 -35.522,78.678 -31.685,78.678 -27.686,82.677 -16.891,82.677 v1(-14.859,80.645) -14.224,80.01 -10.033,80.01 -6.604,76.581 v1(-6.604,66.675) -6.604,54.61 v1(-4.318,52.324) -1.397,49.403 -1.397,42.418 -2.921,40.894 v1(-8.382,40.894) -8.382,40.005 -6.223,37.846 -6.223,34.417 v1(-4.572,32.766)
col2: S202.2 S203.2 S216.2 S230.2 S245.2 S258.2 U301.6 | length 150
  Component Side w0.254: U301.6@-50.018,62.145 -49.53,62.633 -49.53,63.269 U301.6@-49.063,63.736 -48.133,64.666 v1(-48.133,64.897) ; S202.2@-35.76,82.875 -35.76,84.025 S203.2@-39.69,87.955 -39.69,82.738 -41.148,81.28 -41.148,77.917 -36.803,73.572 -34.832,73.572 S216.2@-30.165,68.905 v1(-30.165,65.913) ; S230.2@-34.927,49.855 v1(-34.927,47.498) -34.927,44.067 -37.465,41.529 -37.465,37.465 -38.989,35.941 -41.153,35.941 -44.452,32.641 S245.2@-44.452,30.805 -44.452,22.481 -39.497,17.526 -30.607,17.526 -27.783,14.702 S258.2@-27.783,11.755 -28.702,10.836 -28.702,6.867 S258.2@-31.434,4.135
  Bottom Layer w0.254: v1(-48.133,64.897) -48.133,65.278 -47.56,65.851 -47.56,67.756 -46.482,68.834 -39.624,68.834 -36.83,71.628 -32.512,71.628 -30.165,69.281 v1(-30.165,65.913) -30.165,58.354 -34.927,53.592 v1(-34.927,47.498)
col3: S204.2 S217.2 S218.2 S231.2 S246.2 S260.2 U301.8 | length 144.5
  Component Side w0.254: v1(-68.453,66.294) -68.265,66.482 S218.2@-68.265,68.905 -68.265,74.737 v1(-66.04,76.962) ; v1(-64.389,64.643) -64.389,65.906 -61.585,68.71 -57.895,68.71 -55.104,71.501 -51.811,71.501 S217.2@-49.215,68.905 S217.2@-49.215,68.905 -49.214,65.848 U301.8@-50.194,64.868 -50.725,64.337 U301.8@-50.725,62.852 ; S246.2@-63.502,30.805 -63.502,32.129 -59.563,36.068 -53.467,36.068 -51.689,34.29 ; v1(-58.74,84.328) S204.2@-58.74,87.955 ; v1(-56.388,53.721) -56.388,52.451 -53.977,50.04 S231.2@-53.977,49.855 -53.977,42.547 -51.689,40.259 -51.689,34.29 ; S260.2@-55.247,4.135 -51.596,7.786 S260.2@-51.596,11.755 -51.596,15.274 -55.245,18.923 -55.245,28.956 -51.689,32.512 -51.689,34.29
  Bottom Layer w0.254: v1(-68.453,66.294) -66.802,64.643 v1(-64.389,64.643) -64.389,60.452 -62.041,58.104 -62.041,57.95 -61.976,57.885 -61.976,56.896 -60.224,55.144 -58.473,55.144 -56.984,53.655 -56.388,53.655 v1@-56.061,53.655 ; v1(-66.04,76.962) -58.74,84.262 v1(-58.74,84.328)
col4: S205.2 S219.2 S232.2 S233.2 S247.2 S261.2 U301.20 | length 159.1
  Component Side w0.254: S233.2@-92.077,49.855 -89.417,49.855 S232.2@-86.877,52.395 ; S261.2@-84.933,11.755 -93.218,20.04 -93.218,29.464 -96.402,32.648 S247.2@-96.402,33.345 -96.402,37.075 -92.964,40.513 -69.596,40.513 -65.151,44.958 -65.151,48.133 -61.595,51.689 -61.595,54.102 -62.738,55.245 ; S205.2@-77.79,87.955 -78.867,86.878 -78.867,81.915 -87.315,73.467 S219.2@-87.315,68.905 -87.315,52.833 S232.2@-86.877,52.395 ; U301.20@-53.058,58.398 -54.225,57.231 U301.20@-54.437,57.231 -54.885,56.782 -55.639,56.782 -55.853,56.569 -58.472,56.569 -59.796,55.245 -62.738,55.245 ; S232.2@-86.877,52.395 -83.973,55.299 -62.792,55.299 -62.738,55.245
col5: S206.2 S220.2 S234.2 S248.2 S249.2 S262.2 U301.19 | length 205.3
  Component Side w0.254: S262.2@-148.789,14.295 -150.749,12.335 -150.749,8.636 -145.796,3.683 -133.35,3.683 -130.429,6.604 -127.082,6.604 S262.2@-124.613,4.135 -122.357,4.135 -118.263,8.229 S262.2@-118.263,11.755 -118.999,12.491 -118.999,29.152 S249.2@-120.652,30.805 -118.112,33.345 S248.2@-115.452,33.345 -115.57,33.463 v1(-115.57,37.211) ; S234.2@-111.127,49.855 -111.127,55.751 -108.267,58.61 v1@-108.204,58.674 ; v1(-108.331,58.674) v1@-108.204,58.674 ; S206.2@-96.84,87.955 -96.84,81.849 -106.365,72.324 S220.2@-106.365,68.905 -106.365,60.513 v1@-108.204,58.674 ; v1(-84.963,57.531) -84.709,57.531 -82.931,55.753 -59.93,55.753 -58.66,57.023 -56.041,57.023 -55.827,57.236 -55.563,57.236 U301.19@-55.003,57.797 -54.506,58.293 -53.87,58.293 U301.19@-53.412,58.751
  Bottom Layer w0.254: v1(-115.57,37.211) -108.204,44.577 -108.204,58.547 v1(-108.331,58.674) -107.661,59.344 -86.776,59.344 v1(-84.963,57.531)
col6: S207.2 S208.2 S221.2 S222.2 S235.2 S250.2 U301.18 | length 202.6
  Component Side w0.254: S222.2@-144.465,68.905 -144.465,73.975 -142.875,75.565 ; S250.2@-139.702,30.805 -129.85,30.805 -128.016,32.639 -128.016,38.481 -133.985,44.45 -136.525,44.45 -136.906,44.069 -139.7,44.069 -140.843,45.212 -140.843,48.387 -136.144,53.086 -132.334,53.086 S235.2@-130.177,50.929 ; S235.2@-130.177,49.855 S235.2@-130.177,50.929 ; S207.2@-129.74,90.495 -132.4,90.495 S208.2@-134.94,87.955 -134.94,83.5 -142.875,75.565 ; v1(-84.304,58.802) -81.71,56.207 -60.118,56.207 -58.848,57.477 -56.454,57.477 U301.18@-55.568,58.362 -55.184,58.747 -54.123,58.747 U301.18@-53.765,59.105 ; -142.875,75.565 -130.175,75.565 -125.415,70.805 S221.2@-125.415,68.905 -126.365,67.955 -126.365,60.96 -130.112,57.213 -130.177,57.148 S235.2@-130.177,50.929
  Bottom Layer w0.254: v1(-130.048,57.15) -127.4,59.798 -85.301,59.798 v1(-84.304,58.802)
col7: CON305.1 S209.2 S223.2 S236.2 S237.2 S251.2 S263.2 U301.17 | length 244.4
  Component Side w0.254: v1(-180.594,59.055) -178.816,59.055 ; S263.2@-170.221,14.295 -170.221,22.393 -173.99,26.162 -173.99,31.957 S251.2@-172.602,33.345 -172.602,39.996 -168.277,44.321 S237.2@-168.277,49.855 ; S223.2@-163.515,68.905 -163.515,73.467 ; S236.2@-163.077,52.395 -165.737,52.395 S237.2@-168.277,49.855 ; S209.2@-153.99,87.955 -153.99,82.992 -163.515,73.467 ; v1(-82.169,58.547) -82.169,58.42 -80.41,56.661 -60.306,56.661 -58.547,58.42 -57.785,58.42 -56.642,58.42 U301.17@-56.134,58.928 -55.604,59.458 U301.17@-54.119,59.458 ; CON305.1@-62.484,60.579 -62.122,60.941 -60.433,60.941 -60.071,60.579 ; -178.816,59.055 -174.371,63.5 -174.371,67.564 -172.974,68.961 -171.958,68.961 -169.037,71.882 -165.1,71.882 -163.515,73.467 ; -178.816,59.055 -176.276,59.055 -168.277,51.056 S237.2@-168.277,49.855
  Bottom Layer w0.254: v1(-180.594,59.055) -174.117,59.055 -172.92,60.252 -84.001,60.252 -82.233,58.483 -82.169,58.42 v1(-82.169,58.547) ; v1(-59.69,60.198) -59.436,60.198 v1(-57.785,58.547)
col8: S210.2 S224.2 S238.2 S252.2 S253.2 S264.2 U301.12 | length 230.4
  Component Side w0.254: S264.2@-194.471,11.755 -194.471,29.115 S253.2@-196.161,30.805 ; S252.2@-191.652,33.345 -194.192,30.805 S253.2@-196.161,30.805 ; S210.2@-173.04,87.955 -173.04,83.881 -174.752,82.169 -179.351,82.169 -182.565,78.955 S224.2@-182.565,68.905 -182.565,59.751 -187.071,55.245 -187.071,50.111 S238.2@-187.327,49.855 -187.327,44.575 -196.852,35.05 -196.852,31.496 S253.2@-196.161,30.805 ; v1(-84.377,62.025) -84.233,62.168 -80.937,62.168 -78.224,59.455 -71.722,59.455 -68.239,62.938 -64.135,62.938 -62.63,64.443 -59.236,64.443 -58.189,63.396 -55.099,63.396 -54.987,63.507 -54.151,63.507 -54.151,63.171 U301.12@-53.871,63.171 -53.871,62.959 U301.12@-52.705,61.792
  Bottom Layer w0.254: v1(-182.499,60.706) -182.045,61.16 -85.242,61.16 v1(-84.377,62.025)
col9: S211.2 S212.2 S225.2 S239.2 S254.2 S265.2 U301.11 | length 290.9
  Component Side w0.254: S265.2@-233.403,6.675 -233.403,10.644 S265.2@-229.752,14.295 -223.473,20.574 -221.996,20.574 -215.902,26.668 S254.2@-215.902,30.805 -215.902,36.447 -206.377,45.972 S239.2@-206.377,49.855 -196.017,49.855 -193.675,52.197 -193.675,60.965 v1(-197.612,64.902) S225.2@-201.615,68.905 -191.445,68.905 -190.119,70.231 -190.119,75.311 -192.913,78.105 -194.733,78.105 -198.216,81.588 -204.773,81.588 S212.2@-211.14,87.955 -208.6,90.495 S211.2@-205.94,90.495 ; v1(-81.407,63.246) -81.373,63.246 -78.036,59.909 -71.91,59.909 -68.427,63.392 -64.47,63.392 -62.965,64.897 -59.048,64.897 -58.001,63.85 -55.287,63.85 -55.063,64.073 -53.586,64.073 -53.586,63.736 U301.11@-53.306,63.736 -52.832,63.263 -52.832,62.626 U301.11@-52.351,62.145
  Bottom Layer w0.254: v1(-197.612,64.902) -194.778,62.068 -86.145,62.068 -84.894,63.319 -81.48,63.319 v1(-81.407,63.246)
col10: S213.2 S226.2 S227.2 S240.2 S241.2 S256.2 U301.14 | length 298.3
  Component Side w0.254: S256.2@-251.52,30.805 -250.829,31.496 -244.221,31.496 v1(-241.427,28.702) -241.427,25.023 S256.2@-243.265,23.185 -239.714,19.634 S241.2@-239.714,11.755 -239.714,7.786 S241.2@-243.366,4.135 ; S227.2@-239.715,68.905 -237.175,71.445 S226.2@-234.515,71.445 ; v1(-232.156,68.453) -234.515,70.812 S226.2@-234.515,71.445 ; S213.2@-230.19,87.955 -230.19,81.087 -234.515,76.762 S226.2@-234.515,71.445 ; v1(-227.076,44.196) -225.427,45.845 S240.2@-225.427,49.855 -225.427,54.354 -219.71,60.071 v1@-219.71,61.595 ; v1(-81.534,61.341) -80.752,61.341 -78.412,59.001 -71.534,59.001 -68.051,62.484 -63.5,62.484 -62.865,61.849 -57.411,61.849 -56.884,62.376 -55.283,62.376 -55.283,62.039 U301.14@-55.003,62.039 -54.459,61.496 -53.823,61.496 U301.14@-53.412,61.085
  Bottom Layer w0.254: v1(-241.427,28.702) -241.427,29.845 v1(-227.076,44.196) ; v1(-232.156,68.453) -231.521,67.818 -231.521,65.151 -227.965,61.595 v1(-219.583,61.595) -219.564,61.614 -85.957,61.614 -84.706,62.865 -82.804,62.865 -81.534,61.595 v1(-81.534,61.341)